# Altium PCB KAY1024_ATX.PcbDoc (part 4 of 4)
Units mm, origin at the board's own origin, x right, y up, seen from the top; angles counter-clockwise.
Board outline 170 x 215 mm, 2 copper layers (Top Layer, Bottom Layer), stack 1.57 mm thick; 239 components, 312 nets, 1637 pads, 958 vias.
Unrouted connection lines stored in the file: 1.
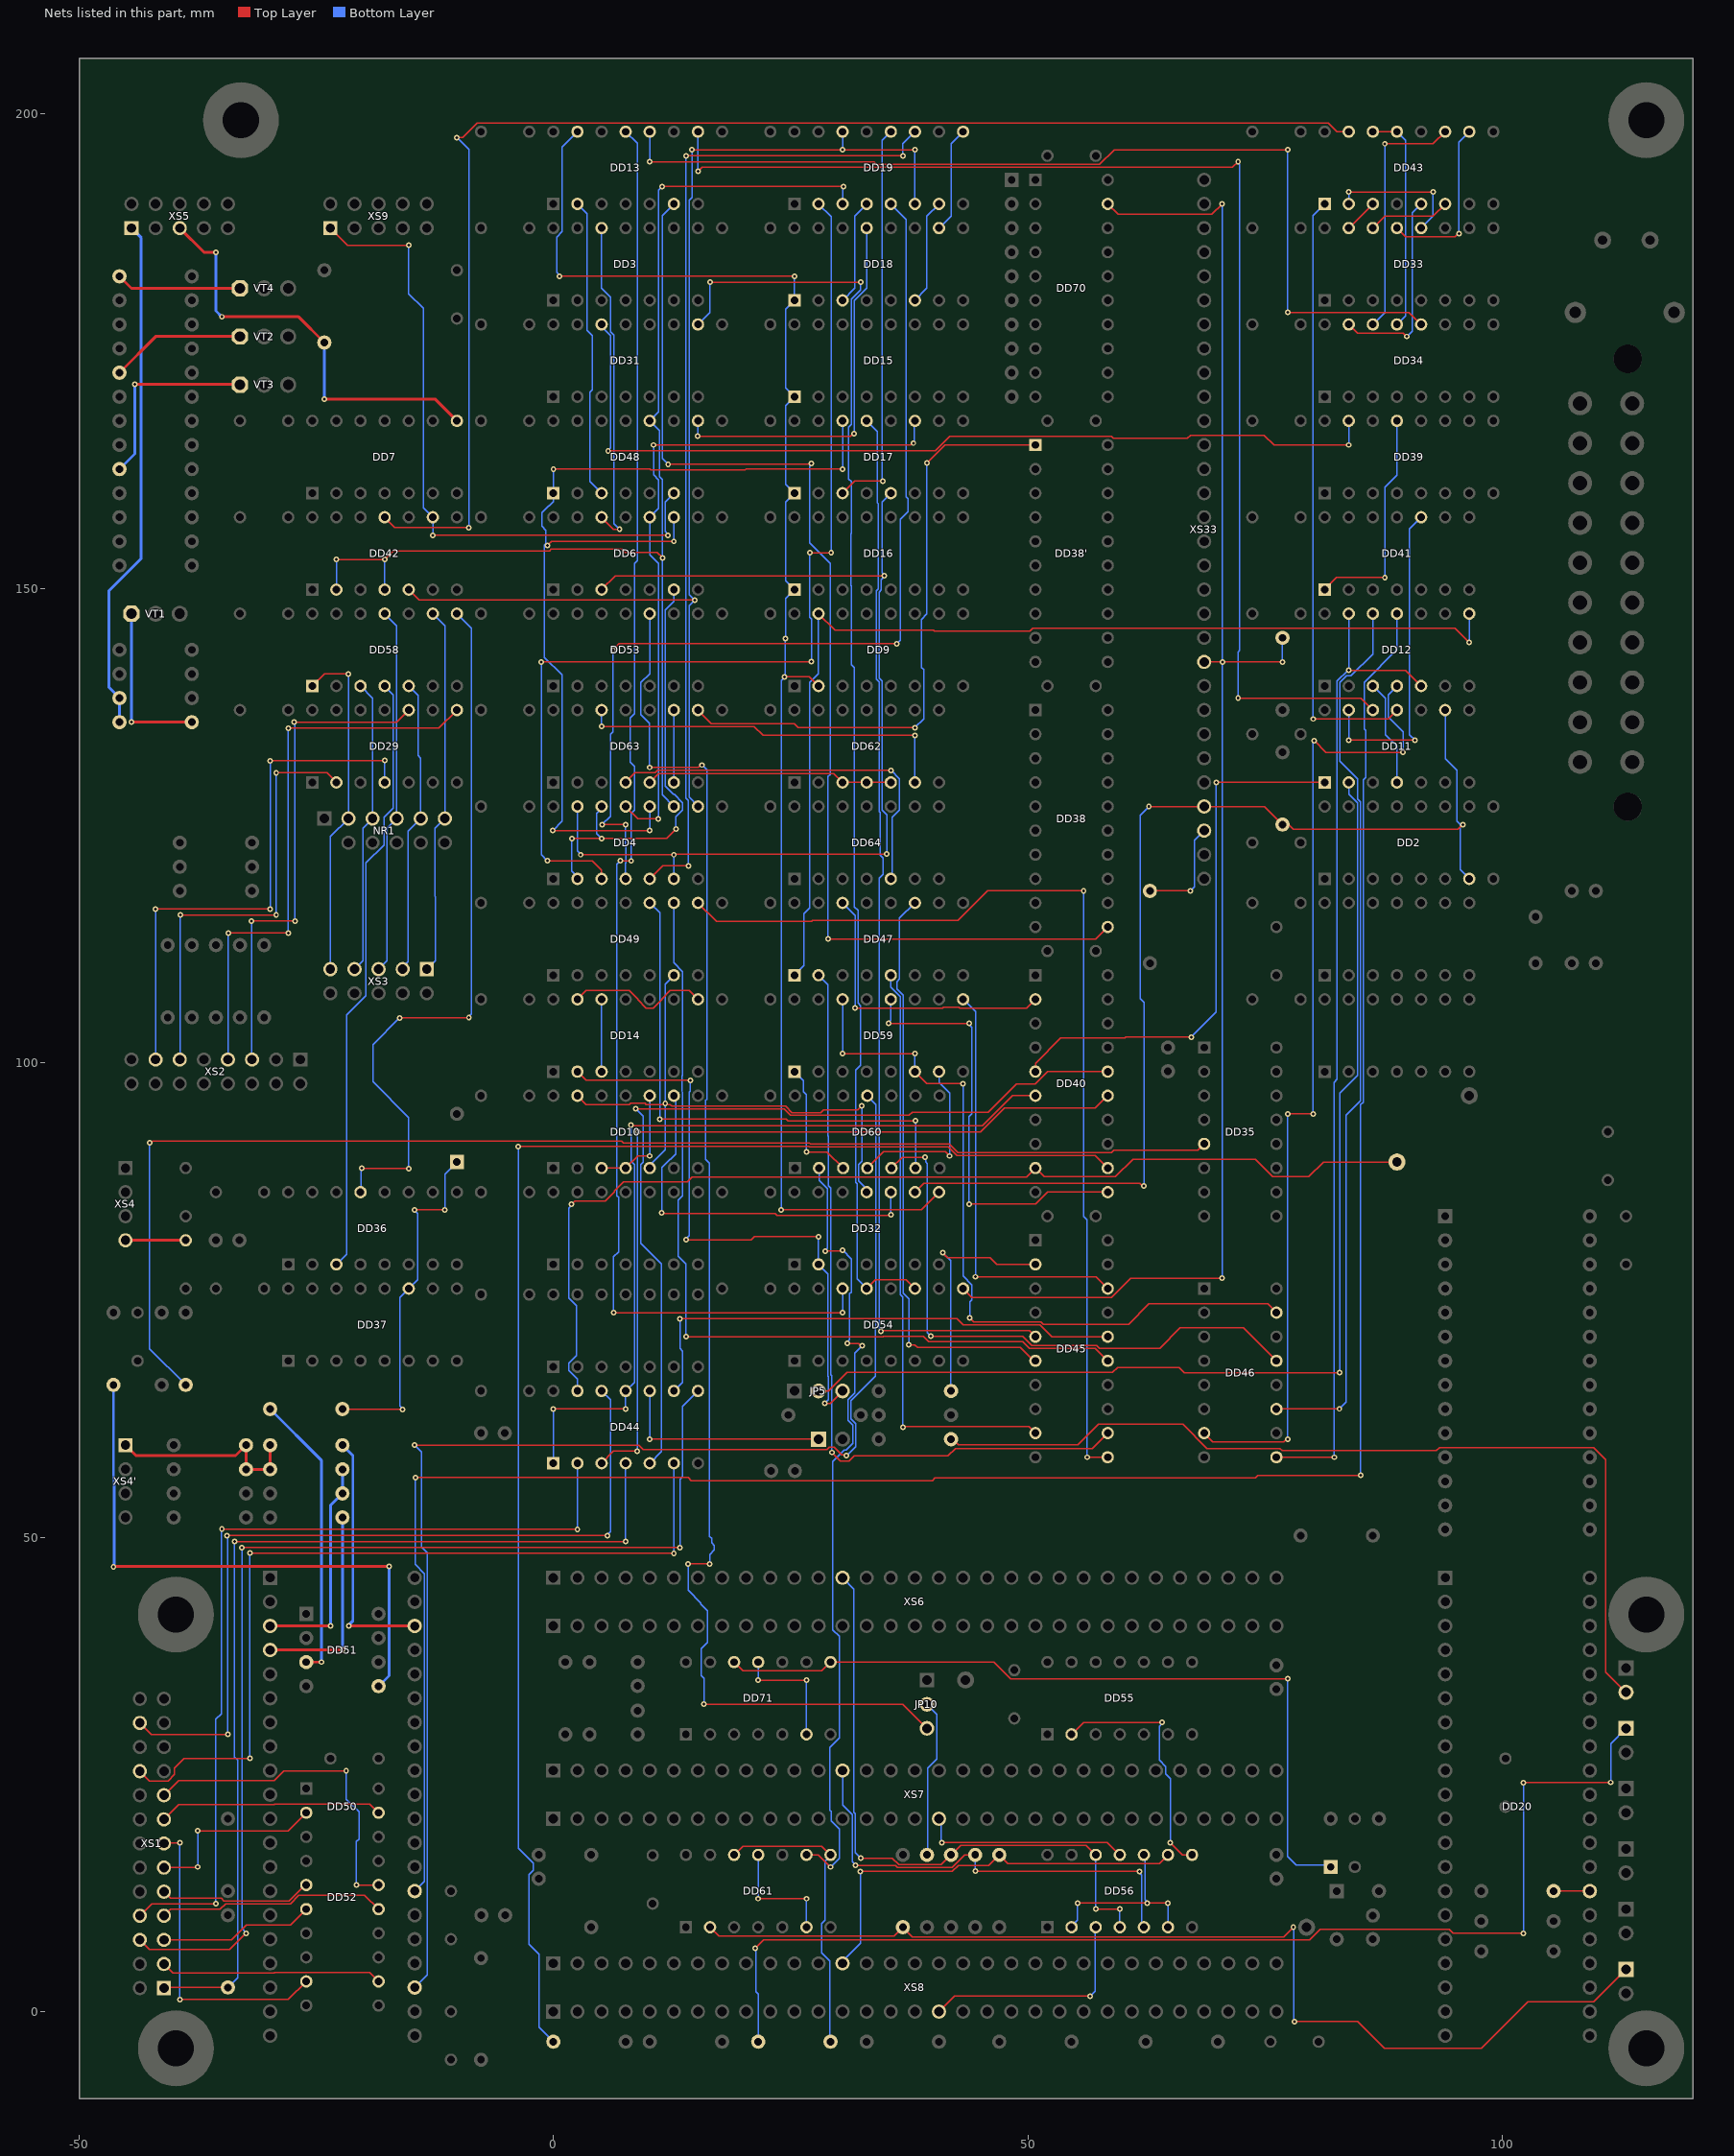
[diagram p4: the nets of this part, all layers, seen from the top]

## Via types
v1: diameter 0.6, hole 0.3, Top Layer to Bottom Layer, tented both sides, 956 vias
v2: diameter 7, hole 3.8, Top Layer to Bottom Layer, 2 vias

## Nets (pads, with @x,y where several pads share a name; then routed paths per layer and width w, separated by ;. In a path a pad name is that pad's centre, name@x,y a point inside that pad or via, vN(x,y) a via of type N, cw(c..) or ccw(c..) an arc to the next point about the centre after c; other vN are vias at no path point) (continued)
NetDD9_15: DD9.15 DD12.8 DD47.1 | length 112.3
  Top Layer w0.15: DD9.15@27.94,147.32 29.665,145.595 40.042,145.595 40.142,145.495 50.207,145.495 50.517,145.805 95.001,145.805 v1(96.52,144.286)
  Bottom Layer w0.15: DD47.1@25.4,109.22 26.405,110.225 26.405,115.688 27.015,116.298 27.015,140.083 27.94,141.008 DD9.15@27.94,147.32 ; v1(96.52,144.286) DD12.8@96.52,147.32
NetDD10_3: DD10.3 DD10.4 DD10.10 | length 12
  Top Layer w0.15: DD10.3@5.08,88.9 DD10.4@7.62,88.9 8.89,90.17 v1(10.16,90.17)
  Bottom Layer w0.15: v1(10.16,90.17) DD10.10@10.16,96.52
NetDD10_5: DD10.5 DD10.13 DD32.11 DD49.6 | length 62.1
  Top Layer w0.15: DD10.13@2.54,96.52 3.465,95.595 8.003,95.595 8.126,95.718 9.654,95.718 9.777,95.595 11.579,95.595 11.669,95.685 v1(11.791,95.685) ; v1@11.769,95.663 11.833,95.599 12.313,95.599 12.502,95.41 24.466,95.41 25.13,94.746 28.178,94.746 28.453,95.021 32.087,95.021 v1(32.509,95.443)
  Bottom Layer w0.15: DD10.5@10.16,88.9 10.16,89.211 11.791,90.842 v1(11.791,95.685) ; v1@11.775,95.713 11.775,108.295 DD49.6@12.7,109.22 ; v1(32.509,95.443) 32.509,89.633 32.159,89.283 32.159,87.532 33.02,86.671 DD32.11@33.02,86.36
NetDD10_9: DD10.9 DD32.10 | length 39.7
  Top Layer w0.15: v1(11.43,84.185) 11.507,84.108 23.388,84.108 23.593,83.903 35.508,83.903 v1(35.56,83.956)
  Bottom Layer w0.15: v1(11.43,84.185) 11.43,88.938 12.317,89.825 12.353,89.825 12.888,90.359 12.888,96.332 DD10.9@12.7,96.52 ; v1(35.56,83.956) DD32.10@35.56,86.36
NetDD11_2: DD11.2 JP5.2 | length 119.6
  Top Layer w0.15: JP5.2@27.94,65.405 28.995,65.405 30.945,67.355 58.927,67.355 59.457,67.885 65.922,67.885 66.483,67.324 v1(82.867,67.324)
  Bottom Layer w0.15: v1(82.867,67.324) 82.867,96.799 84.745,98.677 84.745,127.383 83.82,128.308 DD11.2@83.82,129.54
NetDD11_4: DD11.4 DD12.3 | length 11.2
  Bottom Layer w0.15: DD12.3@86.36,139.7 87.675,138.385 87.675,134.575 88.9,133.35 DD11.4@88.9,129.54
NetDD11_11: DD11.11 DD43.1 | length 64
  Top Layer w0.15: v1(80.09,136.229) 87.969,136.229 DD11.11@88.9,137.16
  Bottom Layer w0.15: v1(80.09,136.229) 80.055,136.264 80.055,189.275 DD43.1@81.28,190.5
NetDD11_12: DD11.12 DD13.8 | length 132.9
  Top Layer w0.15: v1(15.24,193.929) 15.666,194.355 71.57,194.355 v1(72.16,194.945) ; v1(72.16,138.43) 85.09,138.43 DD11.12@86.36,137.16
  Bottom Layer w0.15: v1(15.24,193.929) DD13.8@15.24,198.12 ; v1(72.16,138.43) 72.16,143.272 72.335,143.447 72.335,194.648 72.16,194.823 v1(72.16,194.945)
NetDD11_13: DD11.13 DD41.10 | length 34.4
  Top Layer w0.15: v1(83.82,133.985) v1(90.805,133.985)
  Bottom Layer w0.15: v1(83.82,133.985) DD11.13@83.82,137.16 ; v1(90.805,133.985) 90.215,134.575 90.215,156.255 DD41.10@91.44,157.48
NetDD12_4: DD12.4 DD46.7 | length 103.6
  Top Layer w0.15: DD46.7@68.58,60.96 69.505,60.035 76.978,60.035 77.268,60.325 v1(77.39,60.325) ; v1(77.39,94.615) v1(80.09,94.615) ; v1(80.195,133.935) 81.414,132.715 v1(89.535,132.715)
  Bottom Layer w0.15: v1(77.39,60.325) v1(77.39,94.615) ; v1(80.09,94.615) 80.055,94.65 80.055,133.673 80.195,133.813 v1(80.195,133.935) ; DD12.4@88.9,139.7 87.975,138.775 87.975,136.43 89.535,134.87 v1(89.535,132.715)
NetDD12_5: DD12.5 DD12.13 DD46.9 | length 104
  Top Layer w0.15: DD46.9@76.2,58.42 v1(82.28,58.42) ; v1(83.82,141.35) 89.79,141.35 DD12.5@91.44,139.7
  Bottom Layer w0.15: v1(82.28,58.42) 82.28,63.257 82.253,63.285 82.253,97.919 82.595,98.262 82.595,140.207 83.738,141.35 v1(83.82,141.35) DD12.13@83.82,147.32
NetDD12_11: DD12.11 DD50.27 | length 236.9
  Top Layer w0.15: v1(-14.545,56.288) 14.208,56.288 14.54,55.956 39.936,55.956 40.224,56.245 60.073,56.245 60.087,56.259 73.96,56.259 74.222,56.521 v1(85.075,56.521)
  Bottom Layer w0.15: DD50.27@-14.605,12.7 -13.568,13.737 -13.568,46.15 -14.545,47.127 v1(-14.545,56.288) ; v1(85.075,56.521) 85.075,95.568 85.345,95.838 85.345,129.833 85.585,130.073 85.585,135.003 85.435,135.153 85.435,140.083 88.9,143.548 DD12.11@88.9,147.32
NetDD12_12: DD12.12 DD46.11 | length 94
  Top Layer w0.15: DD46.11@76.2,63.5 76.211,63.511 82.816,63.511 v1(82.828,63.523)
  Bottom Layer w0.15: v1(82.828,63.523) 83.537,64.232 83.537,94.454 85.045,95.962 85.045,127.507 84.745,127.807 84.745,129.923 82.895,131.773 82.895,140.083 83.587,140.775 84.058,140.775 86.36,143.077 DD12.12@86.36,147.32
NetDD13_2: DD13.2 DD48.3 | length 31.7
  Bottom Layer w0.15: DD13.2@2.54,190.5 3.555,189.485 3.555,177.168 4.09,176.633 4.09,170.923 3.855,170.687 3.855,161.245 DD48.3@5.08,160.02
NetDD13_10: DD13.10 DD34.12 | length 102.9
  Top Layer w0.15: v1(10.16,194.945) 33.762,194.945 34.052,194.655 57.533,194.655 59.093,196.215 v1(77.39,196.215) ; v1(77.39,179.07) 90.17,179.07 DD34.12@91.44,177.8
  Bottom Layer w0.15: v1(10.16,194.945) DD13.10@10.16,198.12 ; v1(77.39,179.07) v1(77.39,196.215)
NetDD13_11: DD13.11 DD54.14 | length 153.9
  Top Layer w0.15: v1(6.35,73.66) v1(30.48,73.66) ; v1(7.052,121.279) 7.059,121.273 8.196,121.273 v1(8.202,121.267)
  Bottom Layer w0.15: v1(6.35,73.66) 6.35,79.557 6.865,80.072 6.865,85.807 6.695,85.977 6.695,120.894 7.052,121.252 v1(7.052,121.279) ; DD13.11@7.62,198.12 8.845,196.895 8.845,152.928 8.545,152.628 8.545,136.777 8.083,136.315 8.083,131.697 8.545,131.235 8.545,126.617 8.202,126.274 v1(8.202,121.267) ; v1(30.48,73.66) DD54.14@30.48,76.2
NetDD14_2: DD14.2 DD32.2 JP5.3 | length 64
  Top Layer w0.15: DD14.2@2.54,99.06 3.465,98.135 14.421,98.135 v1(14.425,98.139) ; v1(13.984,81.35) 14.024,81.31 20.826,81.31 21.185,81.669 v1(27.94,81.669) ; v1(28.59,64.09) 29.165,64.09 JP5.3@30.48,65.405
  Bottom Layer w0.15: v1(13.984,81.35) 13.984,81.428 14.317,81.76 14.317,85.975 14.315,85.977 14.315,96.903 14.425,97.013 v1(14.425,98.139) ; v1(27.94,81.669) DD32.2@27.94,78.74 28.937,77.743 28.937,66.98 28.99,66.928 28.99,64.49 v1(28.59,64.09)
NetDD14_3: DD14.3 DD14.12 | length 7.6
  Bottom Layer w0.15: DD14.3@5.08,99.06 DD14.12@5.08,106.68
NetDD14_8: DD14.8 DD14.13 | length 15.1
  Top Layer w0.15: DD14.13@2.54,106.68 3.465,107.605 8.003,107.605 8.89,106.718 8.89,106.642 9.777,105.755 10.543,105.755 11.43,106.642 11.43,106.718 12.317,107.605 14.315,107.605 DD14.8@15.24,106.68
NetDD17_3: DD17.3 DD19.12 | length 42
  Top Layer w0.15: DD17.3@30.48,160.02 31.75,161.29 v1(34.725,161.29)
  Bottom Layer w0.15: v1(34.725,161.29) 34.725,161.412 34.635,161.502 34.635,197.195 DD19.12@35.56,198.12
NetDD18_3: DD18.3 DD19.4 | length 11.2
  Bottom Layer w0.15: DD18.3@30.48,180.34 31.75,181.61 31.75,189.23 DD19.4@33.02,190.5
NetDD18_6: DD18.6 DD19.7 | length 11.2
  Bottom Layer w0.15: DD18.6@38.1,180.34 39.37,181.61 39.37,189.23 DD19.7@40.64,190.5
NetDD18_10: DD18.10 DD19.9 | length 11.2
  Bottom Layer w0.15: DD18.10@40.64,187.96 41.91,189.23 41.91,196.85 DD19.9@43.18,198.12
NetDD20_27: DD20.27 R25.1 | length 3.8
  Top Layer w0.15: R25.1@105.41,12.7 DD20.27@109.22,12.7
NetDD29_2: DD29.2 XS2.11 | length 47.1
  Top Layer w0.15: v1(-39.304,115.57) v1(-29.21,115.57) ; v1(-29.21,130.556) -23.876,130.556 DD29.2@-22.86,129.54
  Bottom Layer w0.15: XS2.11@-39.37,100.33 -39.337,100.363 -39.337,115.537 v1(-39.304,115.57) ; v1(-29.21,115.57) v1(-29.21,130.556)
NetDD29_4: DD29.4 XS2.13 | length 58
  Top Layer w0.15: v1(-41.91,116.205) v1(-29.845,116.205) ; v1(-29.845,131.826) -29.825,131.846 -17.8,131.846 v1(-17.78,131.865)
  Bottom Layer w0.15: XS2.13@-41.91,100.33 v1(-41.91,116.205) ; v1(-29.845,116.205) v1(-29.845,131.826) ; DD29.4@-17.78,129.54 v1(-17.78,131.865)
NetDD29_8: DD29.8 XS2.7 | length 59.8
  Top Layer w0.15: v1(-34.224,113.665) v1(-27.94,113.665) ; v1(-27.94,135.255) -12.065,135.255 DD29.8@-10.16,137.16
  Bottom Layer w0.15: XS2.7@-34.29,100.33 -34.257,100.363 -34.257,113.632 v1(-34.224,113.665) ; v1(-27.94,113.665) v1(-27.94,135.255)
NetDD29_10: DD29.10 XS2.5 | length 52.8
  Top Layer w0.15: v1(-31.824,114.935) v1(-27.215,114.935) ; v1(-27.305,135.89) -16.51,135.89 DD29.10@-15.24,137.16
  Bottom Layer w0.15: v1(-31.824,114.935) -31.787,114.898 -31.787,100.367 XS2.5@-31.75,100.33 ; v1(-27.305,135.89) -27.26,135.845 -27.26,114.98 v1(-27.215,114.935)
NetDD33_12: DD33.12 DD43.2 | length 14.5
  Top Layer w0.15: v1(83.82,191.77) v1(92.71,191.77)
  Bottom Layer w0.15: DD43.2@83.82,190.5 v1(83.82,191.77) ; DD33.12@91.44,187.96 92.71,189.23 v1(92.71,191.77)
NetDD33_13: DD33.13 DD43.10 | length 18.3
  Top Layer w0.15: DD33.13@88.9,187.96 89.825,187.035 95.002,187.035 95.318,187.351 v1(95.428,187.351)
  Bottom Layer w0.15: v1(95.428,187.351) 95.428,197.028 DD43.10@96.52,198.12
NetDD33_14: DD33.14 DD43.6 | length 8.7
  Top Layer w0.15: DD33.14@86.36,187.96 87.63,189.23 92.71,189.23 DD43.6@93.98,190.5
NetDD33_15: DD33.15 DD43.3 | length 3.6
  Top Layer w0.15: DD33.15@83.82,187.96 DD43.3@86.36,190.5
NetDD34_13: DD34.13 DD43.13 DD43.14 | length 23.6
  Top Layer w0.15: DD43.14@86.36,198.12 DD43.13@88.9,198.12
  Bottom Layer w0.15: DD34.13@88.9,177.8 89.825,178.725 89.825,197.195 DD43.13@88.9,198.12
NetDD34_14: DD34.14 DD43.11 | length 26.5
  Top Layer w0.15: v1(87.63,196.85) 92.71,196.85 DD43.11@93.98,198.12
  Bottom Layer w0.15: DD34.14@86.36,177.8 87.63,179.07 v1(87.63,196.85)
NetDD34_15: DD34.15 DD43.5 | length 21.2
  Top Layer w0.15: DD34.15@83.82,177.8 84.745,176.875 89.553,176.875 89.898,176.53 v1(89.95,176.53)
  Bottom Layer w0.15: v1(89.95,176.53) 90.515,177.095 90.515,189.575 DD43.5@91.44,190.5
NetDD35_5: DD35.5 R23.2 | length 139.2
  Top Layer w0.15: v1(-42.545,91.55) -42.423,91.55 -42.226,91.748 7.184,91.748 7.382,91.55 26.982,91.55 27.092,91.44 41.721,91.44 42.646,90.515 58.803,90.515 59.058,90.77 67.91,90.77 DD35.5@68.58,91.44
  Bottom Layer w0.15: v1(-42.545,91.55) -42.545,69.847 R23.2@-38.742,66.043
NetDD37_11: DD37.11 R79.2 VD28.2 | length 37.2
  Top Layer w0.15: R79.2@-22.225,63.5 -22.191,63.466 -15.909,63.466 v1(-15.875,63.433) ; v1(-14.605,84.496) v1(-11.43,84.496)
  Bottom Layer w0.15: v1(-15.875,63.433) -15.875,63.555 -16.165,63.845 -16.165,75.275 DD37.11@-15.24,76.2 -14.315,77.125 -14.315,84.084 -14.605,84.374 v1(-14.605,84.496) ; v1(-11.43,84.496) -11.43,88.265 VD28.2@-10.16,89.535
NetDD39_13: DD39.13 DD41.1 | length 23.9
  Top Layer w0.15: DD41.1@81.28,149.86 82.55,151.13 v1(87.63,151.13)
  Bottom Layer w0.15: v1(87.63,151.13) 87.63,160.659 88.9,161.929 DD39.13@88.9,167.64
NetDD40_2: DD40.2 DD47.14 | length 31.1
  Top Layer w0.15: v1(31.81,105.769) 31.824,105.755 41.023,105.755 41.134,105.866 42.725,105.866 42.836,105.755 49.875,105.755 DD40.2@50.8,106.68
  Bottom Layer w0.15: DD47.14@30.48,116.84 31.795,115.525 31.795,105.784 v1(31.81,105.769)
NetDD40_6: DD40.6 DD44.1 DD44.11 | length 87.7
  Top Layer w0.15: v1(0,63.5) v1(7.62,63.5) ; v1(8.195,93.42) 8.317,93.42 8.404,93.333 45.226,93.333 48.414,96.52 DD40.6@50.8,96.52
  Bottom Layer w0.15: DD44.1@0,57.785 v1(0,63.5) ; v1(7.62,63.5) DD44.11@7.62,65.405 8.545,66.33 8.545,89.283 8.195,89.633 v1(8.195,93.42)
NetDD40_9: DD40.9 DD44.13 KP9.1 | length 112
  Top Layer w0.15: v1(1.905,85.09) 1.957,85.09 2.302,85.435 5.463,85.435 6.429,86.401 6.429,86.477 7.395,87.444 14.095,87.444 14.603,87.952 49.852,87.952 DD40.9@50.8,88.9 51.725,87.975 59.222,87.975 61.072,89.825 73.967,89.825 75.817,87.975 79.589,87.975 81.149,89.535 KP9.1@88.9,89.535
  Bottom Layer w0.15: v1(1.905,85.09) 1.905,84.968 1.615,84.678 1.615,75.182 2.42,74.377 2.42,69.133 1.615,68.328 1.615,67.562 2.54,66.637 DD44.13@2.54,65.405
NetDD40_11: DD40.11 DD59.12 | length 45.6
  Top Layer w0.15: v1(35.32,104.14) v1(43.815,104.14) ; v1(43.815,85.09) 50.838,85.09 52.108,86.36 DD40.11@58.42,86.36
  Bottom Layer w0.15: v1(35.32,104.14) 35.32,104.262 35.56,104.502 DD59.12@35.56,106.68 ; v1(43.815,85.09) 43.815,94.325 44.105,94.615 44.105,103.728 43.815,104.018 v1(43.815,104.14)
NetDD40_12: DD40.12 R3.1 | length 159.3
  Top Layer w0.15: v1(-3.69,91.173) 26.935,91.173 26.967,91.14 41.597,91.14 42.522,90.215 57.105,90.215 DD40.12@58.42,88.9
  Bottom Layer w0.15: v1(-3.69,91.173) -3.69,17.207 -2.112,15.629 -2.112,14.891 -2.568,14.435 -2.568,7.096 -1.504,6.033 -1.504,-1.671 R3.1@0,-3.175
NetDD40_15: DD40.15 DD44.3 | length 89.1
  Top Layer w0.15: DD44.3@5.08,57.785 6.35,59.055 v1(8.835,59.055) ; v1(8.89,92.71) 45.028,92.71 47.523,95.205 57.105,95.205 DD40.15@58.42,96.52
  Bottom Layer w0.15: v1(8.835,59.055) 8.862,59.083 8.862,92.682 v1(8.89,92.71)
NetDD40_16: DD40.16 DD44.5 | length 91.1
  Top Layer w0.15: v1(8.689,95.143) 8.722,95.11 24.341,95.11 25.005,94.446 37.477,94.446 37.814,94.783 45.828,94.783 48.79,97.745 50.793,97.745 52.108,99.06 DD40.16@58.42,99.06
  Bottom Layer w0.15: v1(8.689,95.143) 9.465,94.367 9.465,89.513 9.235,89.283 9.235,80.973 11.392,78.816 11.392,59.017 DD44.5@10.16,57.785
NetDD42_11: DD42.11 DD43.15 | length 145.9
  Top Layer w0.15: DD42.11@-17.78,157.48 -16.7,156.4 v1(-8.899,156.4) ; v1(-10.16,197.488) -9.56,197.488 -8.003,199.045 81.663,199.045 82.588,198.12 DD43.15@83.82,198.12
  Bottom Layer w0.15: v1(-10.16,197.488) -8.899,196.227 v1(-8.899,156.4)
NetDD44_10: DD44.10 JP3.1 | length 22.9
  Top Layer w0.15: v1(10.16,60.325) JP3.1@27.94,60.325
  Bottom Layer w0.15: v1(10.16,60.325) DD44.10@10.16,65.405
NetDD45_2: DD45.2 R58.1 | length 25.2
  Top Layer w0.15: v1(41.023,79.978) 41.536,79.465 46.02,79.465 46.745,78.74 DD45.2@50.8,78.74
  Bottom Layer w0.15: v1(41.023,79.978) 41.865,79.136 41.865,72.583 41.851,72.569 41.851,65.464 R58.1@41.91,65.405
NetDD45_6: DD45.6 DD47.11 | length 61.9
  Top Layer w0.15: v1(37.465,70.259) 38.106,70.259 38.367,69.998 49.227,69.998 50.645,68.58 DD45.6@50.8,68.58
  Bottom Layer w0.15: v1(37.465,70.259) 37.465,75.103 36.875,75.693 36.875,107.097 36.195,107.777 36.195,108.547 36.485,108.837 36.485,115.225 DD47.11@38.1,116.84
NetDD45_9: DD45.9 DD47.5 | length 62.4
  Top Layer w0.15: v1(36.83,61.595) 36.885,61.65 50.11,61.65 DD45.9@50.8,60.96
  Bottom Layer w0.15: DD47.5@35.56,109.22 35.56,107.988 36.575,106.973 36.575,75.568 36.83,75.313 v1(36.83,61.595)
NetDD45_11: DD45.11 DD49.8 | length 104.8
  Top Layer w0.15: DD49.8@15.24,116.84 17.205,114.875 26.742,114.875 27.218,114.875 27.338,114.995 42.643,114.995 43.563,115.915 45.758,118.11 v1(55.88,118.11) ; v1(56.25,58.42) DD45.11@58.42,58.42
  Bottom Layer w0.15: v1(55.88,118.11) 55.88,83.795 56.25,83.425 v1(56.25,58.42)
NetDD45_12: DD45.12 DD47.2 | length 81.6
  Top Layer w0.15: v1(29.341,58.924) 30.256,58.009 31.176,58.009 31.723,58.556 41.591,58.556 42.38,59.345 56.805,59.345 DD45.12@58.42,60.96
  Bottom Layer w0.15: DD47.2@27.94,109.22 28.955,108.205 28.955,92.29 28.992,92.253 28.992,87.041 29.237,86.795 29.237,67.105 29.341,67.001 v1(29.341,58.924)
NetDD45_15: DD45.15 DD49.9 | length 92.2
  Top Layer w0.15: v1(13.97,71.12) 34.758,71.12 34.786,71.148 38.992,71.148 39.542,70.598 49.475,70.598 50.178,69.895 55.419,69.895 57.105,69.895 DD45.15@58.42,68.58
  Bottom Layer w0.15: DD49.9@12.7,116.84 12.7,110.528 13.625,109.603 13.625,98.677 13.55,98.602 13.55,96.978 13.625,96.903 13.625,85.977 13.167,85.518 13.167,79.582 13.97,78.778 v1(13.97,71.12)
NetDD45_18: DD45.18 DD59.9 | length 44.2
  Top Layer w0.15: v1(44.494,77.431) 57.189,77.431 DD45.18@58.42,76.2
  Bottom Layer w0.15: DD59.9@43.18,106.68 44.494,105.366 v1(44.494,77.431)
NetDD46_13: DD46.13 DD60.5 | length 62.4
  Top Layer w0.15: DD60.5@35.624,88.9 36.758,90.034 v1(39.151,90.034) ; v1(39.78,71.173) 49.439,71.173 50.417,70.195 57.229,70.195 57.529,69.895 63.902,69.895 66.052,72.045 72.735,72.045 DD46.13@76.2,68.58
  Bottom Layer w0.15: v1(39.151,90.034) 39.237,89.948 39.237,89.559 39.415,89.381 39.415,71.55 39.78,71.185 v1(39.78,71.173)
NetDD46_15: DD46.15 DD59.6 DD59.14 | length 79.9
  Top Layer w0.15: v1(30.48,100.965) v1(38.1,100.965) ; DD59.6@38.1,99.06 39.37,97.79 v1(43.18,97.79) ; v1(43.875,73.109) 44.294,72.69 51.387,72.69 51.642,72.435 60.619,72.435 62.769,74.585 75.275,74.585 DD46.15@76.2,73.66
  Bottom Layer w0.15: v1(30.48,100.965) DD59.14@30.48,106.68 ; DD59.6@38.1,99.06 v1(38.1,100.965) ; v1(43.18,97.79) 43.18,77.508 44.105,76.583 44.105,75.022 43.875,74.792 v1(43.875,73.109)
NetDD49_10: DD49.10 DD60.6 | length 55.3
  Top Layer w0.15: v1(11.216,94.053) 24.55,94.053 24.757,93.846 38.115,93.846 v1(38.176,93.908)
  Bottom Layer w0.15: DD49.10@10.16,116.84 11.216,115.784 v1(11.216,94.053) ; DD60.6@38.164,88.9 38.17,88.906 38.17,93.902 v1(38.176,93.908)
NetDD50_3: DD50.3 R8.2 R9.2 | length 23.4
  Top Layer w0.3: DD50.3@-29.845,40.64 v1(-23.495,40.64)
  Bottom Layer w0.3: v1(-23.495,40.64) -23.495,53.34 R9.2@-22.225,54.61 R8.2@-22.225,57.15
NetDD50_4: DD50.4 R10.2 | length 21.6
  Top Layer w0.3: DD50.4@-29.845,38.1 v1(-22.21,38.1)
  Bottom Layer w0.3: R10.2@-22.225,52.07 -22.225,47.924 -22.195,47.894 -22.195,43.081 -22.225,43.051 -22.225,38.115 v1(-22.21,38.1)
NetDD50_23: DD50.23 DD60.11 | length 144.4
  Top Layer w0.15: v1(-14.605,59.69) 9.013,59.69 9.453,59.25 28.854,59.25 29.103,59.499 29.579,59.499 30.408,58.67 30.801,58.67 v1(30.887,58.584)
  Bottom Layer w0.15: DD50.23@-14.605,2.54 -13.268,3.877 -13.268,48.355 -13.893,48.98 -13.893,58.978 v1(-14.605,59.69) ; v1(30.887,58.584) 31.855,59.551 31.855,61.945 31.36,62.44 31.36,64.376 33.945,66.961 33.945,71.933 34.009,71.997 34.009,95.595 DD60.11@33.084,96.52
NetDD50_38: DD50.38 R7.2 | length 26.7
  Top Layer w0.3: v1(-21.575,40.64) DD50.38@-14.605,40.64